# Altium PCB Velvet_Controller_V1.2_2023.PcbDoc (part 1 of 4) (continued)
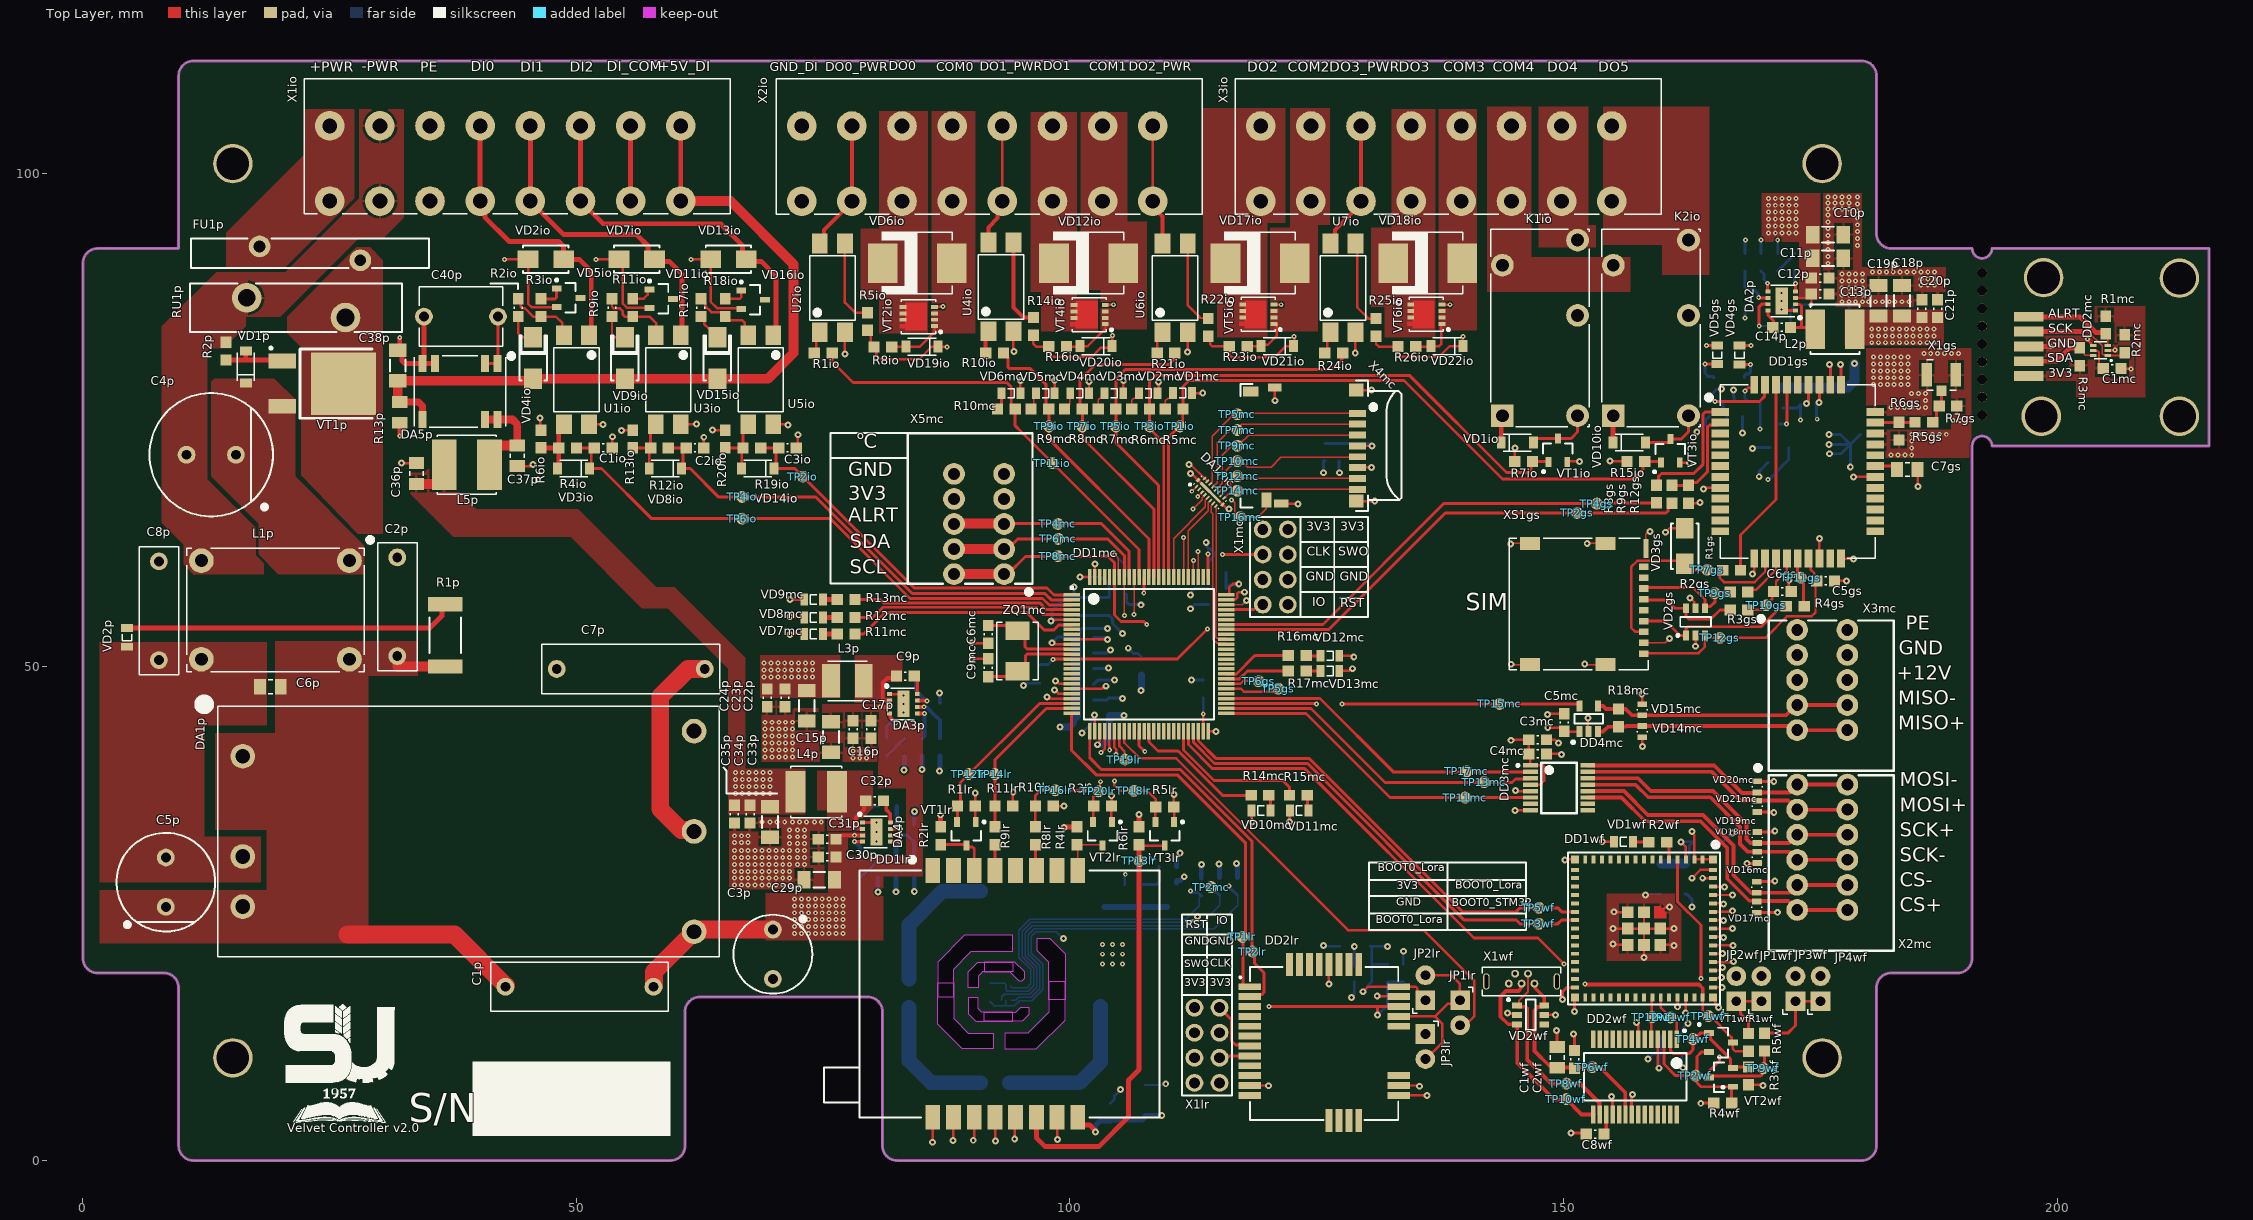
[diagram p0: Top Layer view]
## Components (designator, comment, footprint, x,y, rotation, side; value= is the part's Value field where it differs from the comment) (continued)
C19mc "GCM188R71H104KA57D" "CAP 0603 IPC MAX" 101.5,53.025 r0 bottom locked
C19p "CL31B106KAHNNNE" "CAP 1206 IPC MAX" 181.9,87.1 r90 top locked
C20mc "GCM188R71H104KA57D" "CAP 0603 IPC MAX" 114.925,59.55 r180 bottom locked
C20p "TMK107BJ105KA-T" "CAP 0603 IPC MAX" 186.3,86.3 r90 top locked
C21mc "GCM188R71H104KA57D" "CAP 0603 IPC MAX" 100.625,56.125 r270 bottom locked
C21p "GCM188R71H104KA57D" "CAP 0603 IPC MAX" 187.9,86.3 r90 top locked
C22mc "CL21A475KBQNNNE" "CAP 0805 IPC MAX" 102.325,55.95 r270 bottom locked
C22p "CL31B106KAHNNNE" "CAP 1206 IPC MAX" 73.325,46.069 r270 top locked
C23mc "TMK107BJ105KA-T" "CAP 0603 IPC MAX" 127.275,71.775 r90 bottom locked
C23p "TMK107BJ105KA-T" "CAP 0603 IPC MAX" 71.125,46.869 r270 top locked
C24mc "GCM188R71H104KA57D" "CAP 0603 IPC MAX" 125.825,71.75 r270 bottom locked
C24p "GCM188R71H104KA57D" "CAP 0603 IPC MAX" 69.325,46.869 r270 top locked
C25p "GRM1885C1H152JA01D" "CAP 0603 IPC MAX" 83.225,41.869 r270 bottom locked
C26p "CC0603KRX7R9BB561" "CAP 0603 IPC MAX" 171.7,91 r90 bottom locked
C27p "TMK107BJ105KA-T" "CAP 0603 IPC MAX" 170,91 r90 bottom locked
C28p "TMK107BJ105KA-T" "CAP 0603 IPC MAX" 85.025,41.869 r270 bottom locked
C29p "CL31B106KAHNNNE" "CAP 1206 IPC MAX" 74.6,28.45 r180 top locked
C30p "TMK107BJ105KA-T" "CAP 0603 IPC MAX" 75.4,30.75 r180 top locked
C31p "GCM188R71H104KA57D" "CAP 0603 IPC MAX" 75.4,32.55 r180 top locked
C32p "GCM188R71H104KA57D" "CAP 0603 IPC MAX" 80.2,36.45 r180 top locked
C33p "CL31B106KAHNNNE" "CAP 1206 IPC MAX" 69.6,34.3 r270 top locked
C34p "TMK107BJ105KA-T" "CAP 0603 IPC MAX" 67.6,35.1 r270 top locked
C35p "GCM188R71H104KA57D" "CAP 0603 IPC MAX" 66,35.1 r270 top locked
C36p "CL21A475KBQNNNE" "CAP 0805 IPC MAX" 33.8,69.6 r90 top locked
C37p "CL21A475KBQNNNE" "CAP 0805 IPC MAX" 44,71.4 r270 top locked
C38p "CL31B106KAHNNNE" "CAP 1206 IPC MAX" 31.9,80.55 r90 top locked
C39p "GRM1885C1H182JA01D" "CAP 0603 IPC MAX" 80.55,29.5 r270 bottom locked
C40p "CC45SL3JD470JYVNA" CC45SL3JD470JYVNA 38.3,85.5 r180 top locked
C41p "TMK107BJ105KA-T" "CAP 0603 IPC MAX" 82.375,29.5 r270 bottom locked
DA1mc "EMIF06-MSD02N16" "16-UFDFN Exposed Pad" 114.215,67.698 r315 top locked
DA1p "URB2412LD-30WR3" URB2412LD-30WR3 39.06,33.34 r0 top locked
DA2p "AOZ6663DI" "DFN 3x3-8L" 172.1,87.075 r90 top locked
DA3p "AOZ6663DI" "DFN 3x3-8L" 83.125,46.269 r270 top locked
DA4p "AOZ6663DI" "DFN 3x3-8L" 80.4,33.275 r270 top locked
DA5p "B0505MT-1WR4" B0505MT-1WR4 38.2,77.9 r180 top locked
DD1gs "SIM800C" SIM-800C 173.725,69.8 r0 top locked
DD1lr "CF-MU904" CF-MU904 92.6,17 r0 top locked
DD1mc "STM32F407VGT6" LQFP50P1600X1600X160-100M 108,51.3 r0 top locked
DD1wf "ESP32-S2-MINI-1U-N4R2" ESP32­S2­MINI­1U 158.15,23.5 r270 top locked
DD2lr "RAK3172-P3 RUI" RAK3172 125.755,11.85 r90 top locked
DD2mc "TMP112AIDRLR" SOT-563 204.4,82.075 r180 top locked
DD2wf "CY7C65213-28PVXI" TSSOP-28 157.25,8.475 r270 top
DD3lr "TMP112AIDRLR" SOT-563 93.504,16.975 r90 bottom locked
DD3mc "DSLVDS1047PWR" TSSOP-16 149.55,37.75 r0 top locked
DD4mc "FIN1002M5X" SOT-23-5 152.55,44.75 r0 top locked
FU1p "0ZRP0500FF2A" 0ZRP0500FF2A 23,91.9 r0 top locked
JP1lr "PREC002SAAN-RC" "2P TH 2.54mm" 139.525,16.24 r270 top locked
JP1wf "PREC002SAAN-RC" "2P TH 2.54mm" 170.04,16.135 r90 top locked
JP2lr "PREC002SAAN-RC" "2P TH 2.54mm" 136,16.236 r90 top locked
JP2wf "PREC002SAAN-RC" "2P TH 2.54mm" 167.5,16.135 r90 top locked
JP3lr "PREC002SAAN-RC" "2P TH 2.54mm" 136,12.816 r270 top locked
JP3wf "PREC002SAAN-RC" "2P TH 2.54mm" 173.5,16.135 r90 top locked
JP4wf "PREC002SAAN-RC" "2P TH 2.54mm" 176.04,16.135 r90 top locked
K1io "ALQ112" ALQ112 147.61,84.35 r90 top locked
K2io "ALQ112" ALQ112 158.85,84.35 r90 top locked
L1p "RN212-4-02-0M7" "FIXED IND RN212-4-02-0M7" 19.5,55.775 r90 top locked
L2p "SRN5040-4R7M" SRN5040 177.5,84.2 r0 top locked
L3p "ASPI-4030S-100M-T" ASPI-4030S 77.45,48.594 r180 top locked
L4p "TYS5020220M-10" TYS5020 74.3,37.35 r180 top locked
L5p "VLS6045EX-6R8M" VLS6045EX 38.9,70.5 r0 top locked
R1gs "RMCF0603FT4K70" "RES 0603 IPC MAX" 167.025,59.8 r180 top
R1io "RMCF0603FT1K00" "RES 0603 IPC MAX" 75,81.825 r180 top locked
R1lr "RMCF0603JT10K0" "RES 0603 IPC MAX" 89.5,35.9 r0 top locked
R1mc "RC0603FR-074K99L" "RES 0603 IPC MAX" 204.929,84.646 r90 top locked
R1p "35211K8FT" "RES 2512 IPC MAX" 36.7,53.2 r270 top locked
R1wf "RMCF0603JT10K0" "RES 0603 IPC MAX" 168.75,11.975 r90 top
R2gs "RMCF0603FT51R0" "RES 0603 IPC MAX" 167.775,57.6 r0 top locked
R2io "RMCF0603FT1K50" "CAP 0603 IPC MAX" 44.1,86.4 r90 top locked
R2lr "RMCF0603JT10K0" "RES 0603 IPC MAX" 86.9,32.9 r90 top locked
R2mc "RC0603FR-074K99L" "RES 0603 IPC MAX" 206.85,82.75 r90 top locked
R2p "RMCF0603FT27K0" "RES 0603 IPC MAX" 14.5,82 r270 top locked
R2wf "RMCF0603JT510R" "RES 0603 IPC MAX" 159.55,32.25 r180 top locked
R3gs "RMCF0603FT51R0" "RES 0603 IPC MAX" 167.775,55.775 r0 top locked
R3io "RMCF0603JT10K0" "RES 0603 IPC MAX" 46.41,86.4 r270 top locked
R3lr "RMCF0603JT10K0" "RES 0603 IPC MAX" 103.3,35.9 r0 top locked
R3mc "RC0603FR-074K99L" "RES 0603 IPC MAX" 202.3,81.425 r270 top locked
R3p "RMCF0603FT100K" "RES 0603 IPC MAX" 172.1,84.4 r0 bottom locked
R3wf "RMCF0603FT100K" "RES 0603 IPC MAX" 168.725,8.575 r270 top
R4gs "RMCF0603FT51R0" "RES 0603 IPC MAX" 173.475,56.15 r0 top locked
R4io "RMCF0603JT10K0" "RES 0603 IPC MAX" 49.11,72.2 r180 top locked
R4lr "RMCF0603JT10K0" "RES 0603 IPC MAX" 100.7,32.9 r90 top locked
R4mc "RMCF0603JT10K0" "RES 0603 IPC MAX" 105.65,58.3 r90 bottom locked
R4p "RMCF0603FT100K" "RES 0603 IPC MAX" 83.325,49.069 r0 bottom locked
R4wf "RMCF0603FT100K" "RES 0603 IPC MAX" 166.125,5.825 r0 top
R5gs "RMCF0603ZT0R00" "RES 0603 IPC MAX" 186.5,74.8 r0 top locked
R5io "RMCF0603FT22K0" "RES 0603 IPC MAX" 79.5,85 r90 top locked
R5lr "RMCF0603JT10K0" "RES 0603 IPC MAX" 109.6,35.8 r0 top locked
R5mc "RMCF0603JT510R" "RES 0603 IPC MAX" 110.55,76.125 r0 top locked
R5p "RMCF0603FT86K6" "RES 0603 IPC MAX" 168.4,87.5 r90 bottom locked
R5wf "RMCF0603JT10K0" "RES 0603 IPC MAX" 170.35,12 r270 top
R6gs "DNP" "RES 0603 IPC MAX" 183.975,73.9 r90 top locked
R6io "RMCF0603FT5K60" "RES 0603 IPC MAX" 46.41,73.1 r270 top locked
R6lr "RMCF0603JT10K0" "RES 0603 IPC MAX" 107,32.9 r90 top locked
R6mc "RMCF0603JT510R" "RES 0603 IPC MAX" 107.15,76.125 r0 top locked
R6p "RMCF0603FT68K0" "RES 0603 IPC MAX" 86.825,45.469 r270 bottom locked
R7gs "DNP" "RES 0603 IPC MAX" 188.95,76.425 r180 top locked
R7io "RMCF0603JT10K0" "RES 0603 IPC MAX" 145.95,70.8 r0 top locked
R7lr "RMCF0603JT10K0" "RES 0603 IPC MAX" 132.18,19.001 r90 bottom locked
R7mc "RMCF0603JT510R" "RES 0603 IPC MAX" 103.75,76.125 r0 top locked
R7p "RMCF0603FT59K0" "RES 0603 IPC MAX" 173.4,91 r270 bottom locked
R8gs "RMCF0603FT1K00" "RES 0603 IPC MAX" 159.425,67.525 r270 top locked
R8io "RMCF0603FT22K0" "RES 0603 IPC MAX" 81.05,82.4 r180 top locked
R8lr "RMCF0603FT1K00" "RES 0603 IPC MAX" 96.5,32.9 r270 top locked
R8mc "RMCF0603JT510R" "RES 0603 IPC MAX" 100.35,76.125 r0 top locked
R8p "RMCF0603FT22K0" "RES 0603 IPC MAX" 81.425,41.869 r90 bottom locked
R9gs "RMCF0603FT1K00" "RES 0603 IPC MAX" 161,67.5 r270 top locked
R9io "RMCF0603FT1K50" "CAP 0603 IPC MAX" 53.6,86.4 r90 top locked
R9lr "RMCF0603FT1K00" "RES 0603 IPC MAX" 92.4,32.9 r270 top locked
R9mc "RMCF0603JT510R" "RES 0603 IPC MAX" 96.95,76.125 r0 top locked
R9p "RMCF0603FT15K0" "RES 0603 IPC MAX" 168.4,91 r270 bottom locked
R10gs "RMCF0603JT510R" "RES 0603 IPC MAX" 167.825,81.6 r270 bottom locked
R10io "RMCF0603FT1K00" "RES 0603 IPC MAX" 92.36,81.825 r180 top locked
R10lr "RMCF0603FT2K00" "RES 0603 IPC MAX" 97.4,35.9 r180 top locked
R10mc "RMCF0603JT510R" "RES 0603 IPC MAX" 93.55,76.125 r0 top locked
R10p "RMCF0603FT15K0" "RES 0603 IPC MAX" 86.825,41.869 r90 bottom locked
R11gs "RMCF0603JT510R" "RES 0603 IPC MAX" 165.575,81.625 r270 bottom locked
R11io "RMCF0603JT10K0" "RES 0603 IPC MAX" 55.71,86.4 r270 top locked
R11lr "RMCF0603FT2K00" "RES 0603 IPC MAX" 93.3,35.9 r180 top locked
R11mc "RMCF0603JT510R" "RES 0603 IPC MAX" 77.325,53.35 r0 top locked
R11p "RMCF0603FT100K" "RES 0603 IPC MAX" 81.55,35.875 r0 bottom locked
R12gs "RMCF0603FT5K60" "RES 0603 IPC MAX" 162.65,67.5 r90 top locked
R12io "RMCF0603JT10K0" "RES 0603 IPC MAX" 58.41,72.2 r180 top locked
R12lr "RMCF1210JT18R0" "RES 1210" 94,26.6 r180 bottom locked
R12mc "RMCF0603JT510R" "RES 0603 IPC MAX" 77.325,55.025 r0 top locked
R12p "RMCF0603FT110K" "RES 0603 IPC MAX" 84.225,33.15 r90 bottom locked
R13gs "RMCF0603FT100K" "RES 0603 IPC MAX" 169.025,75.375 r0 bottom locked
R13io "RMCF0603FT5K60" "RES 0603 IPC MAX" 55.71,73.1 r270 top locked
R13lr "RMCF1210JT18R0" "RES 1210" 83.7,18.6 r270 bottom locked
R13mc "RMCF0603JT510R" "RES 0603 IPC MAX" 77.325,56.825 r0 top locked
R13p "ESR10EZPF2200" "RES 0805 IPC MAX" 32.1,75.8 r90 top locked
R14gs "RMCF0603FT100K" "RES 0603 IPC MAX" 165.65,75.375 r0 bottom locked
R14io "RMCF0603FT22K0" "RES 0603 IPC MAX" 96.3,84.5 r90 top locked
R14lr "RMCF1210JT18R0" "RES 1210" 90.7,8.5 r0 bottom locked
R14mc "RMCF0603JT510R" "RES 0603 IPC MAX" 119.25,37 r180 top locked
R14p "RMCF0603FT33K0" "RES 0603 IPC MAX" 78.725,29.525 r270 bottom locked
R15gs "RMCF0603FT100K" "RES 0603 IPC MAX" 171.625,70.725 r0 bottom locked
R15io "RMCF0603JT10K0" "RES 0603 IPC MAX" 157.325,70.825 r0 top locked
R15lr "RMCF1210JT18R0" "RES 1210" 103.2,15.4 r90 bottom locked
R15mc "RMCF0603JT510R" "RES 0603 IPC MAX" 123.145,37 r180 top locked
R15p "RMCF0603FT15K0" "RES 0603 IPC MAX" 84.225,29.5 r90 bottom locked
R16io "RMCF0603FT22K0" "RES 0603 IPC MAX" 98.75,82.45 r180 top locked
R16lr "RMCF0603FT1K00" "RES 0603 IPC MAX" 106.45,27.95 r180 bottom locked
R16mc "RMCF0603JT510R" "RES 0603 IPC MAX" 123.025,51.15 r180 top locked
R17io "RMCF0603FT1K50" "CAP 0603 IPC MAX" 62.6,86.4 r90 top locked
R17lr "RMCF0603JT10K0" "RES 0603 IPC MAX" 109.9,29.8 r180 bottom locked
R17mc "RMCF0603JT510R" "RES 0603 IPC MAX" 123.025,49.6 r180 top locked
R18io "RMCF0603JT10K0" "RES 0603 IPC MAX" 65.08,86.4 r270 top locked
R18lr "RC0603FR-074K99L" "RES 0603 IPC MAX" 115.15,27.75 r90 bottom locked
R18mc "RMCF0603FT100R" "RES 0603 IPC MAX" 155.55,44.85 r90 top locked
R19io "RMCF0603JT10K0" "RES 0603 IPC MAX" 67.78,72.2 r180 top locked
R19lr "RC0603FR-074K99L" "RES 0603 IPC MAX" 116.975,27.75 r90 bottom locked
R20io "RMCF0603FT5K60" "RES 0603 IPC MAX" 65.08,73.1 r270 top locked
R20lr "RC0603FR-074K99L" "RES 0603 IPC MAX" 113.3,27.725 r90 bottom locked
R21io "RMCF0603FT1K00" "RES 0603 IPC MAX" 109.725,81.825 r180 top locked
R22io "RMCF0603FT22K0" "RES 0603 IPC MAX" 114,84.4 r90 top locked
R23io "RMCF0603FT22K0" "RES 0603 IPC MAX" 117.05,82.475 r180 top locked
R24io "RMCF0603FT1K00" "RES 0603 IPC MAX" 126.725,81.825 r180 top locked
R25io "RMCF0603FT22K0" "RES 0603 IPC MAX" 131,84.4 r90 top locked
R26io "RMCF0603FT22K0" "RES 0603 IPC MAX" 134.125,82.45 r180 top locked
RU1p "B72220S0300K101" B72220S0300K101 21.6,86.4 r0 top locked
TP1io "1.2MM TP" "TESTPOINT 1.2mm" 111.137,74.375 r0 top locked
TP1lr "1.2MM TP" "TESTPOINT 1.2mm" 117.475,22.65 r0 top locked
TP1wf "1.2MM TP" "TESTPOINT 1.2mm" 164.675,14.625 r90 top
TP2gs "1.2MM TP" "TESTPOINT 1.2mm" 151.375,65.6 r90 top locked
TP2io "1.2MM TP" "TESTPOINT 1.2mm" 72.95,69.275 r90 top locked
TP2lr "1.2MM TP" "TESTPOINT 1.2mm" 118.5,21.175 r90 top locked
TP2mc "1.2MM TP" "TESTPOINT 1.2mm" 114.3,27.7 r180 top locked
TP2wf "1.2MM TP" "TESTPOINT 1.2mm" 163.35,8.6 r90 top
TP3io "1.2MM TP" "TESTPOINT 1.2mm" 108.1,74.375 r90 top locked
TP3wf "1.2MM TP" "TESTPOINT 1.2mm" 147.5,23.975 r90 top locked
TP4gs "1.2MM TP" "TESTPOINT 1.2mm" 153.375,66.55 r90 top locked
TP4io "1.2MM TP" "TESTPOINT 1.2mm" 66.775,67.225 r90 top locked
TP4mc "1.2MM TP" "TESTPOINT 1.2mm" 98.775,64.485 r180 top locked
TP4wf "1.2MM TP" "TESTPOINT 1.2mm" 163.125,12.3 r90 top
TP5gs "1.2MM TP" "TESTPOINT 1.2mm" 121.1,47.8 r90 top locked
TP5io "1.2MM TP" "TESTPOINT 1.2mm" 104.65,74.375 r90 top locked
TP5mc "1.2MM TP" "TESTPOINT 1.2mm" 116.95,75.6 r90 top locked
TP5wf "1.2MM TP" "TESTPOINT 1.2mm" 147.5,25.6 r90 top locked
TP6gs "1.2MM TP" "TESTPOINT 1.2mm" 119.125,48.55 r90 top locked
TP6io "1.2MM TP" "TESTPOINT 1.2mm" 66.775,65.025 r90 top locked
TP6mc "1.2MM TP" "TESTPOINT 1.2mm" 98.8,62.975 r180 top locked
TP6wf "1.2MM TP" "TESTPOINT 1.2mm" 152.925,9.45 r90 top
TP7gs "1.2MM TP" "TESTPOINT 1.2mm" 164.55,59.85 r90 top
TP7io "1.2MM TP" "TESTPOINT 1.2mm" 101.25,74.375 r90 top locked
TP7mc "1.2MM TP" "TESTPOINT 1.2mm" 116.95,74 r90 top locked
TP8mc "1.2MM TP" "TESTPOINT 1.2mm" 98.775,61.225 r180 top locked
TP8wf "1.2MM TP" "TESTPOINT 1.2mm" 150.275,7.8 r90 top
TP9gs "1.2MM TP" "TESTPOINT 1.2mm" 165.3,57.475 r90 top locked
TP9io "1.2MM TP" "TESTPOINT 1.2mm" 97.875,74.375 r90 top locked
TP9mc "1.2MM TP" "TESTPOINT 1.2mm" 116.95,72.4 r90 top locked
TP9wf "1.2MM TP" "TESTPOINT 1.2mm" 170.225,9.325 r90 top
TP10gs "1.2MM TP" "TESTPOINT 1.2mm" 170.525,56.25 r90 top locked
TP10mc "1.2MM TP" "TESTPOINT 1.2mm" 116.95,70.85 r90 top locked
TP10wf "1.2MM TP" "TESTPOINT 1.2mm" 150.275,6.225 r90 top
TP11gs "1.2MM TP" "TESTPOINT 1.2mm" 174.05,59.05 r90 top
TP11io "1.2MM TP" "TESTPOINT 1.2mm" 98.225,70.65 r90 top locked
TP11mc "1.2MM TP" "TESTPOINT 1.2mm" 140.025,36.775 r180 top locked
TP11wf "1.2MM TP" "TESTPOINT 1.2mm" 160.85,14.5 r90 top
TP12gs "1.2MM TP" "TESTPOINT 1.2mm" 165.85,52.95 r90 top locked
TP12lr "1.2MM TP" "TESTPOINT 1.2mm" 89.75,39.15 r90 top locked
TP12mc "1.2MM TP" "TESTPOINT 1.2mm" 116.95,69.325 r90 top locked
TP12wf "1.2MM TP" "TESTPOINT 1.2mm" 158.975,14.525 r90 top
TP13lr "1.2MM TP" "TESTPOINT 1.2mm" 107.025,30.35 r90 top locked
TP13mc "1.2MM TP" "TESTPOINT 1.2mm" 141.95,38.325 r180 top locked
TP14lr "1.2MM TP" "TESTPOINT 1.2mm" 92.4,39.15 r180 top locked
TP14mc "1.2MM TP" "TESTPOINT 1.2mm" 116.95,67.85 r90 top locked
TP15mc "1.2MM TP" "TESTPOINT 1.2mm" 143.525,46.25 r180 top locked
TP16lr "1.2MM TP" "TESTPOINT 1.2mm" 98.5,37.5 r180 top locked
TP16mc "1.2MM TP" "TESTPOINT 1.2mm" 117.25,65.175 r90 top locked
TP17mc "1.2MM TP" "TESTPOINT 1.2mm" 140.2,39.425 r180 top locked
TP18lr "1.2MM TP" "TESTPOINT 1.2mm" 106.475,37.45 r180 top locked
TP19lr "1.2MM TP" "TESTPOINT 1.2mm" 105.55,40.625 r180 top locked
TP20lr "1.2MM TP" "TESTPOINT 1.2mm" 102.9,37.4 r180 top locked
U1io "SFH6206-3T" 11-5L106 50,79.1 r270 top locked
U2io "SFH6206-3T" 11-5L106 75.925,88.4 r90 top locked
U3io "SFH6206-3T" 11-5L106 59.3,79.1 r270 top locked
U4io "SFH6206-3T" 11-5L106 93,88.5 r90 top locked
U5io "SFH6206-3T" 11-5L106 68.67,79.1 r270 top locked
U6io "SFH6206-3T" 11-5L106 110.65,88.4 r90 top locked
U7io "SFH6206-3T" 11-5L106 127.65,88.4 r90 top locked
VD1gs "MMSZ5231B-E3-08" "SOD-123 (Marked)" 179.025,83.8 r90 bottom locked
VD1io "1N4148W-TP" "SOD-123 (Marked)" 145.325,72.725 r0 top locked
VD1mc "LTST-S220GKT" "0805 DIODE" 111.4,77.75 r0 top locked
VD1p "BZT52C12-TP" "SOD-123 (Marked)" 16.5,80.4 r90 top locked
VD1wf "LTST-S220GKT" "0805 DIODE" 156.075,32.3 r180 top locked
VD2gs "ESDA6V1BC6" SOT-23-6 163.375,54.575 r90 top locked
VD2io "SMAJ36CA" "DO-214AC Bidirectional" 46.9,91.3 r0 top locked
VD2mc "LTST-S220GKT" "0805 DIODE" 107.925,77.725 r0 top locked
VD2p "LTST-S220GKT" "0805 DIODE" 4.475,53 r270 top locked
VD2wf "ESDA6V1BC6" SOT-23-6 146.675,14.75 r0 top locked
VD3gs "SMAJ5.0CA" "DO-214AC Bidirectional" 162.275,62.25 r270 top locked
VD3io "1N4148W-TP" "SOD-123 (Marked)" 49.71,70.1 r180 top locked
VD3mc "LTST-S220GKT" "0805 DIODE" 104.45,77.725 r0 top locked
VD4gs "LTST-S220GKT" "0805 DIODE" 167.825,81.6 r270 top locked
VD4io "S1M" "DO-214AC Unidirectional" 45.61,81.3 r270 top locked
VD4mc "LTST-S220GKT" "0805 DIODE" 100.975,77.725 r0 top locked
VD5gs "LTST-S220GKT" "0805 DIODE" 165.575,81.625 r270 top locked
VD5io "AZ23C4V7-HE3-08" SOT-23-3 49.2,87.4 r0 top locked
VD5mc "LTST-S220GKT" "0805 DIODE" 97.5,77.725 r0 top locked
VD6io "SMCJ36A" "DO214-AB (SMC) L3.2W1.52" 84.525,90.925 r180 top locked
VD6mc "LTST-S220GKT" "0805 DIODE" 94.025,77.725 r0 top locked
VD7io "SMAJ36CA" "DO-214AC Bidirectional" 56.1,91.3 r0 top locked
VD7mc "LTST-S220GKT" "0805 DIODE" 74.025,53.35 r180 top locked
VD8io "1N4148W-TP" "SOD-123 (Marked)" 59.01,70.1 r180 top locked
VD8mc "LTST-S220GKT" "0805 DIODE" 74.025,55.025 r180 top locked
VD9io "S1M" "DO-214AC Unidirectional" 54.91,81.3 r270 top locked
VD9mc "LTST-S220GKT" "0805 DIODE" 74.025,56.825 r180 top locked
VD10io "1N4148W-TP" "SOD-123 (Marked)" 156.665,72.75 r0 top locked
VD10mc "LTST-S220GKT" "0805 DIODE" 119.35,35.475 r180 top locked
VD11io "AZ23C4V7-HE3-08" SOT-23-3 58.6,87.3 r0 top locked
VD11mc "LTST-S220GKT" "0805 DIODE" 123.227,35.472 r180 top locked
VD12io "SMCJ36A" "DO214-AB (SMC) L3.2W1.52" 101.885,90.925 r180 top locked
VD12mc "LTST-S220GKT" "0805 DIODE" 126.326,51.132 r0 top locked
VD13io "SMAJ36CA" "DO-214AC Bidirectional" 65.4,91.3 r0 top locked
VD13mc "LTST-S220GKT" "0805 DIODE" 126.325,49.6 r0 top locked
VD14io "1N4148W-TP" "SOD-123 (Marked)" 68.38,70.1 r180 top locked
VD14mc "SP1103C-01UTG" "2-DFN 1.6x1.0" 157.975,43.45 r90 top locked
VD15io "S1M" "DO-214AC Unidirectional" 64.28,81.3 r270 top locked
VD15mc "SP1103C-01UTG" "2-DFN 1.6x1.0" 157.975,45.675 r270 top locked
VD16io "AZ23C4V7-HE3-08" SOT-23-3 67.9,87.2 r0 top locked
VD16mc "SP1103C-01UTG" "2-DFN 1.6x1.0" 169.575,27.685 r270 top locked
VD17io "SMCJ36A" "DO214-AB (SMC) L3.2W1.52" 119.25,90.925 r180 top locked
VD17mc "SP1103C-01UTG" "2-DFN 1.6x1.0" 169.575,25.675 r90 top locked
VD18io "SMCJ36A" "DO214-AB (SMC) L3.2W1.52" 136.25,90.925 r180 top locked
VD18mc "SP1103C-01UTG" "2-DFN 1.6x1.0" 169.625,30.71 r90 top locked
VD19io "BZT52C12-TP" "SOD-123 (Marked)" 85.01,82.45 r180 top locked
VD19mc "SP1103C-01UTG" "2-DFN 1.6x1.0" 169.625,32.725 r270 top locked
VD20io "BZT52C12-TP" "SOD-123 (Marked)" 102.635,82.5 r180 top locked
VD20mc "SP1103C-01UTG" "2-DFN 1.6x1.0" 169.625,37.85 r270 top locked
VD21io "BZT52C12-TP" "SOD-123 (Marked)" 121,82.5 r180 top locked
VD21mc "SP1103C-01UTG" "2-DFN 1.6x1.0" 169.625,35.875 r90 top locked
VD22io "BZT52C12-TP" "SOD-123 (Marked)" 138.2,82.5 r180 top locked
VT1gs "BSS138-TP" SOT-23-3 168.35,78.125 r90 bottom locked
VT1io "BSS138-TP" SOT-23-3 149.425,71.95 r90 top locked
VT1lr "BSS138-TP" SOT-23-3 89.5,33.1 r270 top locked
VT1p "G12P04K" "TO-252 (D-PAK)" 23.5,78.7 r270 top locked
VT1wf "BSS138-TP" SOT-23-3 165.95,11.95 r0 top
VT2gs "BSS138-TP" SOT-23-3 165.1,78.15 r90 bottom locked
VT2io "TPN1200APL,L1Q" 8-PowerVDFN 85,85.5 r90 top locked
VT2lr "BSS138-TP" SOT-23-3 103.3,33.1 r270 top locked
VT2wf "BSS138-TP" SOT-23-3 165.95,8.425 r180 top
VT3gs "BSS138-TP" SOT-23-3 171.85,73.425 r90 bottom locked
VT3io "BSS138-TP" SOT-23-3 160.825,71.9 r90 top locked
VT3lr "BSS138-TP" SOT-23-3 109.6,33.1 r270 top locked
VT4io "TPN1200APL,L1Q" 8-PowerVDFN 102.3,85.7 r90 top locked
VT4lr "DMG2302U-7" SOT-23-3 109.85,26.9 r270 bottom locked
VT5io "TPN1200APL,L1Q" 8-PowerVDFN 119.4,85.725 r90 top locked
VT6io "TPN1200APL,L1Q" 8-PowerVDFN 136.425,85.725 r90 top locked
X1gs "1909763-1" 1909763-1 188.275,79.6 r0 top locked
X1io "KF142V-5.08-8P" KF142V-5.08-8P 25.005,97.2 r0 top locked
X1lr "TSW-104-07-F-D" "HEADER 2.54mm 2ROW 8PIN" 113.88,11.676 r270 top locked
X1mc "TSW-104-07-F-D" "HEADER 2.54mm 2ROW 8PIN" 120.8,60.125 r90 top locked
X1wf "USB3131-30-0230-A" USB3131-30-0230-A 145.75,17.924 r180 top locked
X2io "KF142V-5.08-8P" KF142V-5.08-8P 72.825,97.18 r0 top locked
X2mc "KF141V-2.54-6P" KF141V-2.54-6P 173.675,38.085 r270 top locked
X3io "KF142V-5.08-8P" KF142V-5.08-8P 119.325,97.18 r0 top locked
X3mc "KF141V-2.54-5P" KF141V-2.54-5P 173.67,53.76 r270 top locked
X4mc "114-00841-68" 114-00841-68 123.725,72.425 r90 top locked
X5mc "KF141V-2.54-5P" KF141V-2.54-5P 93.33,59.405 r90 top locked
XS1gs "693023010811" 693023010811 158.598,56.38 r270 top locked
ZQ1mc "ABM3-8.000MHZ-D2Y-T" ABM3-8.000MHZ-D2Y-T 94.675,51.625 r90 top locked

## Footprints (in the part's own frame and the unit in brackets; to place one, negate y for a bottom-side part, rotate by r counter-clockwise, add the part's x,y. Pads: shape width x height; smd on the part's side, far side on the other; paste and mask are expansions set on the pad)
0ZRP0500FF2A [mm] "0ZRP series Fuse"
  round 2.2 hole 1.2: 1(-5.1,0.7) 2(5.1,-0.7)
  silkscreen extent -12.05,-1.5 12.05,1.5, body extent -12.05,-1.5 12.05,1.5, height 29.1
"2-DFN 1.6x1.0" [mm]
  rect 0.58x1 smd: 1(-0.56,0) 2(0.56,0)
  silkscreen extent -0.05,-0.5 0.05,0.5, body extent -0.8,-0.5 0.8,0.5, height 0.6
"2P TH 2.54mm" [mm]
  rect 2x2 hole 1: 1(0,0)
  round 2 hole 1: 2(2.54,0)
  silkscreen extent -1.3,0.8 -0.8,1.3
8-PowerVDFN [mm]
  rect 0.4x0.7 smd: 1(-0.975,-1.275) 2(-0.325,-1.275) 3(0.325,-1.275) 4(0.975,-1.275) 5(0.975,1.9) 6(0.325,1.9) 7(-0.325,1.9)
  round 0.025 smd: 8(0,0.875)
  Top Layer region: -0.775,1.7 -0.775,2.25 -1.175,2.25 -1.175,1.7 -1.4,1.7 -1.4,-0.5 1.4,-0.5 1.4,1.7
  silkscreen extent -1.73,-2.02 1.73,2.07, body extent -1.73,-1.38 1.73,2.07, height 0.8
11-5L106 [mm] "SMD-4 Optocoupler"
  rect 2x1.6 smd: 1(-4.5,1.27) 2(-4.5,-1.27) 3(4.5,-1.27) 4(4.5,1.27)
  silkscreen extent -3.25,-2.3 3.25,2.3, body extent -5,-2.29 5,2.29, height 3.85
"16-UFDFN Exposed Pad" [mm]
  rect 0.2x0.45 smd: 1(-1.4,-0.575) 2(-1,-0.575) 3(-0.6,-0.575) 4(-0.2,-0.575) 5(0.2,-0.575) 6(0.6,-0.575) 7(1,-0.575) 8(1.4,-0.575) 9(1.4,0.575) 10(1,0.575) 11(0.6,0.575) 12(0.2,0.575) 13(-0.2,0.575) 14(-0.6,0.575) 15(-1,0.575) 16(-1.4,0.575)
  rect 0.3x0.45 smd: 17(-1.75,0) 18(1.75,0)
  rect 2.8x0.3 smd: 19(0,0)
  silkscreen extent -2.09,-0.99 1.75,0.6, body extent -1.77,-0.64 1.78,0.61, height 0.55
114-00841-68 [mm] "uSD CARD socket"
  rect 0.7x1.75 smd: 1(3.275,-5.4) 2(2.175,-5.4) 3(1.075,-5.4) 4(-0.025,-5.4) 5(-1.125,-5.4) 6(-2.225,-5.4) 7(-3.325,-5.4) 8(-4.425,-5.4)
  rect 1.55x1 smd: 9(-5.5,3.825)
  rect 1x1.55 smd: 10(5.475,5.4)
  rect 1.3x1.5 smd: 11(-5.625,-5.275) 12(5.625,-5.275)
  rect 0.8x1.5 smd: 13(-5.875,2.325)
  rect 0.8x1.4 smd: 14(5.875,2.975)
  Top Layer pour cut-out: -1.875,5.725 0.625,5.725 0.625,3.675 -1.875,3.675
  Top Layer pour cut-out: -4.725,1.575 3.375,1.575 3.375,-1.4 -4.725,-1.4
  silkscreen extent -6.6,-7.25 6.6,6.45, body extent -5.98,-5.72 5.98,5.77, height 1.68
"0805 DIODE" [mm]
  rect 0.8x1.2 smd: 1(-0.95,0) 2(0.95,0)
  silkscreen extent -0.33,-0.48 0.33,0.48, body extent -1.03,-0.45 1.03,0.46, height 0.85
1909763-1 [mm] "U.FL (UMCC) Connector Jack, Male Pin 50Ohm Surface Mount Solder"
  rect 1x1.05 smd: 1(0,-1.6)
  rect 1.05x2.4 smd: 2(-1.475,0) 3(1.475,0)
  silkscreen extent -1.5,-1.55 1.5,1.55, body extent -1.5,-1.55 1.5,1.55, height 1.25
693023010811 [mm] "CONN SMART CARD PUSH-PULL"
  rect 1.89x0.5 smd: 1(-5.615,-0.248)
  rect 1.35x2 smd: 2(-6.13,-4.35) 3(-6.13,-12) 4(6.13,-12) 5(6.13,-4.35)
  rect 0.67x0.95 smd: C1(5.03,-0.473) C2(1.73,-0.473) C3(-0.47,-0.473) C4(-2.67,-0.473) C5(3.93,-0.473) C6(0.63,-0.473) C7(-1.57,-0.473) C8(-3.77,-0.473) SW(2.83,-0.473)
  silkscreen extent -6.65,-14.1 6.65,0, body extent -6.65,-14 6.65,0.1, height 1.32
ABM3-8.000MHZ-D2Y-T [mm] "8 MHz ±20ppm Crystal 18pF 140 Ohms 2-SMD, No Lead"
  rect 1.9x2.4 smd: 1(-2.05,0) 2(2.05,0)
  silkscreen extent -2.9,-2.1 2.9,2.1, body extent -2.86,-2.09 2.86,2.09, height 1.3
ALQ112 [mm] "General Purpose Relay SPDT (1 Form C) 12VDC Coil Through Hole"
  rect 2.3x2.3 hole 1.3: 1(-8.89,3.81)
  round 2.3 hole 1.3: 2(6.35,3.81) 3(8.89,-3.81) 4(1.27,-3.81) 5(-8.89,-3.81)
  silkscreen extent -9.99,-5 10.01,5, body extent -10,-5 10,5, height 16
ASPI-4030S [mm] "4x4x3 Wire Wound Magnetically Shielded SMD Power Inductor"
  rect 1.8x3.4 smd: 1(-1.65,0) 2(1.65,0)
  silkscreen extent -2,-2 2,2, body extent -2,-2 2,2, height 3
B0505MT-1WR4 [mm] "Isolated Module DC DC Converter 1 Output 5V 200mA 4.5V - 5.5V Input"
  rect 0.8x1.7 smd: 1(-3.81,-2.838) 2(-2.54,-2.838) 6(2.54,-2.838) 7(3.81,-2.838) 8(3.81,2.838) 13(-2.54,2.838) 14(-3.81,2.838)
  silkscreen extent -5.45,-3.85 4.62,3.62, body extent -4.65,-3.56 4.65,3.76, height 3.41
B72220S0300K101 [mm] "VARISTOR 47V 2KA DISC 20MM"
  round 3 hole 1.8: 1(-5,1) 2(5,-1)
  silkscreen extent -10.75,-2.45 10.75,2.45, body extent -10.5,-1.9 10.5,1.9, height 23.48
"CAP 0603 IPC MAX" [mm]
  rect 1.15x1.1 smd: 1(-0.9,0) 2(0.9,0)
  silkscreen extent -0.1,-0.4 0.1,0.4, body extent -0.8,-0.4 0.8,0.4, height 0.5
"CAP 0805 IPC MAX" [mm]
  rect 1.2x1.55 smd: 1(-1.05,0) 2(1.05,0)
  silkscreen extent -0.23,-0.7 0.23,0.7, body extent -1,-0.63 1,0.63, height 0.78
"CAP 1206 IPC MAX" [mm]
  rect 1.35x1.8 smd: 1(-1.55,0) 2(1.55,0)
  silkscreen extent -0.6,-0.8 0.6,0.8, body extent -2.27,-0.8 2.27,0.8, height 1.25
"CAP 2917 (D)" [mm]
  rect 3x3 smd: 1(-3,0) 2(3,0)
  silkscreen extent -3.83,-2.25 3.75,2.25, body extent -3.7,-2.22 3.7,2.22, height 3.01
"CAP RADIAL D8.0 L12.0 P5.0" [mm] "Radial Aluminium Capacitor Diameter=8.0, Length=12.5mm, Pitch=5.0mm"
  round 1.8 hole 1: 1(-2.5,0) 2(2.5,0)
  silkscreen extent -4,-4 4,4, body extent -4,-3.99 4,3.99, height 11.5
"CAP RADIAL D10.0 L17,0 P5.0 - duplicate" [mm] "Radial Aluminium Capacitor Diameter=10.0, Length=17.0mm, Pitch=5.0mm"
  round 1.8 hole 1: 1(-2.5,0) 2(2.5,0)
  silkscreen extent -5,-5 5,5, body extent -4.99,-4.99 5,4.99, height 16
"CAP RADIAL D12.5 L20.0 P5.0" [mm] "Radial Aluminium Capacitor Diameter=12.5, Length=20.0mm, Pitch=5.0mm"
  round 1.8 hole 1: 1(-2.5,0) 2(2.5,0)
  silkscreen extent -6.25,-6.25 6.25,6.25, body extent -6.25,-6.24 6.25,6.25, height 20
"CAP RADIAL L13.0 W4.0 H9.1 P10.0" [mm] "Film Capacitor"
  round 1.8 hole 1: 1(-5,0) 2(5,0)
  silkscreen extent -6.5,-2 6.5,2, body extent -6.6,-2.1 6.6,2.1, height 9.1
"CAP RADIAL L18.0 W5.0 H10.5 P15.0" [mm] "Film Capacitor"
  round 1.8 hole 1: 1(-7.5,0) 2(7.5,0)
  silkscreen extent -9,-2.5 9,2.5, body extent -9,-2.5 9,2.5, height 10.5
CC45SL3JD470JYVNA [mm] "CAP Ceramic Radial Diam=8.5m, pitch=7.5mm, width=6.00mm"
  round 1.8 hole 1: 1(-3.75,0) 2(3.75,0)
  silkscreen extent -4.25,-3 4.25,3, body extent -4.15,-2.63 4.15,2.37, height 13.75
CF-MU904 [mm] "UHF RFID Reader Module"
  rect 1.5x2.5 smd: 1(-6.509,12.373) 2(-4.409,12.373) 3(-2.309,12.373) 4(-0.209,12.373) 5(1.891,12.373) 6(3.991,12.373) 7(6.091,12.373) 8(8.191,12.373) 9(8.191,-12.627) 10(6.091,-12.627) 11(3.991,-12.627) 12(1.891,-12.627) 13(-0.209,-12.627) 14(-2.309,-12.627) 15(-4.409,-12.627) 16(-6.509,-12.627)
  silkscreen extent -17.51,-12.63 16.49,13.73, body extent -17.85,-12.62 16.65,12.37, height 3.8
"DFN 3x3-8L" [mm] "Based on AOZ6663DI/DI-01 Documentation"
  rect 0.4x0.5 smd: 1(-0.975,-1.4) 2(-0.325,-1.4) 3(0.325,-1.4) 4(0.975,-1.4) 5(0.975,1.4) 6(0.325,1.4) 7(-0.325,1.4) 8(-0.975,1.4)
  rect 2.7x1.25 smd: 9(0,0)
  silkscreen extent -1.84,-1.99 1.6,1.1, body extent -1.55,-1.6 1.55,1.6, height 0.81
"DO214-AB (SMC) L3.2W1.52" [mm]
  rect 3x4 smd: 1(-3.5,0) 2(3.5,0)
  silkscreen extent -3.55,-3.17 3.63,3.17, body extent -4.06,-3.05 4.06,3.05, height 2.4
"DO-214AC Bidirectional" [mm] "Bidirectional Diode, 2-Leads, Body 4,30x2,59mm, IPC Medium Density"
  rect 2.1x1.8 smd: 1(-1.8,0) 2(1.8,0)
  silkscreen extent -2.3,-1.4 2.3,1.4, body extent -2.74,-1.4 2.74,1.4, height 2.29
"DO-214AC Unidirectional" [mm] "Bidirectional Diode, 2-Leads, Body 4,30x2,59mm, IPC Medium Density"
  rect 2.1x1.8 smd: 1(-2.1,0) 2(2.1,0)
  silkscreen extent -2.3,-1.4 2.3,1.4, body extent -2.74,-1.4 2.74,1.4, height 2.29
ESP32­S2­MINI­1U [mm]
  rect 0.8x0.4 smd: 1(-7,5.95) 2(-7,5.1) 3(-7,4.25) 4(-7,3.4) 5(-7,2.55) 6(-7,1.7) 7(-7,0.85) 8(-7,0) 9(-7,-0.85) 10(-7,-1.7) 11(-7,-2.55) 12(-7,-3.4) 13(-7,-4.25) 14(-7,-5.1) 15(-7,-5.95) 31(7,-5.95) 32(7,-5.1) 33(7,-4.25) 34(7,-3.4) 35(7,-2.55) 36(7,-1.7) 37(7,-0.85) 38(7,0) 39(7,0.85) 40(7,1.7) 41(7,2.55) 42(7,3.4) 43(7,4.25) 44(7,5.1) 45(7,5.95)
  rect 0.4x0.8 smd: 16(-5.95,-7) 17(-5.1,-7) 18(-4.25,-7) 19(-3.4,-7) 20(-2.55,-7) 21(-1.7,-7) 22(-0.85,-7) 23(0,-7) 24(0.85,-7) 25(1.7,-7) 26(2.55,-7) 27(3.4,-7) 28(4.25,-7) 29(5.1,-7) 30(5.95,-7) 46(5.95,7) 47(5.1,7) 48(4.25,7) 49(3.4,7) 50(2.55,7) 51(1.7,7) 52(0.85,7) 53(0,7) 54(-0.85,7) 55(-1.7,7) 56(-2.55,7) 57(-3.4,7) 58(-4.25,7) 59(-5.1,7) 60(-5.95,7)
  rect 1.2x1.2 smd: 61(0,0) 67(-1.65,0) 68(-1.65,-1.65) 69(0,-1.65) 70(1.65,-1.65) 71(1.65,0) 72(1.65,1.65) 73(0,1.65)
  rect 0.8x0.8 smd: 62(-7,7) 63(-7,-7) 64(7,-7) 65(7,7)
  round 0.025 smd: 66(-1.65,1.65)
  Top Layer region: -2.25,1.05 -1.05,1.05 -1.05,2.25 -1.65,2.25 -2.25,1.65
  silkscreen extent -8.75,-7.7 7.7,7.7, body extent -7.7,-7.7 7.7,7.7, height 2.55
"FIXED IND RN212-4-02-0M7" [mm] "700 µH @ 10 kHz 2 Line Common Mode Choke Through Hole 4A DCR 24mOhm (Typ)"
  round 2.5 hole 1.3: 1(5,-7.5) 2(-5,-7.5) 3(5,7.5) 4(-5,7.5)
  silkscreen extent -6.25,-9.85 7.35,9, body extent -6.25,-9 6.25,9, height 20
"HEADER 2.54mm 2ROW 8PIN" [mm]
  round 1.8 hole 1.1: 1(-3.81,-1.27) 2(-1.27,-1.27) 3(1.27,-1.27) 4(3.81,-1.27) 5(3.81,1.27) 6(1.27,1.27) 7(-1.27,1.27) 8(-3.81,1.27)
  silkscreen extent -5.08,-2.54 5.08,2.54, body extent -5.08,-2.44 5.08,2.54, height 8.6
KF141V-2.54-5P [mm]
  round 2.2 hole 1.2: 1(0,0) 2(2.54,0) 3(5.08,0) 4(7.62,0) 5(10.16,0) 6(0,5.08) 7(2.54,5.08) 8(5.08,5.08) 9(7.62,5.08) 10(10.16,5.08)
  silkscreen extent -1.36,-3.92 14.29,9.78, body extent -1.01,-2.94 14.29,9.86, height 13.6
KF141V-2.54-6P [mm] "1 2.54mm 20~26 2A 150V Through Hole 6 Plugin,P=2.54mm Spring Clamp System Terminal Block ROHS"
  round 2.2 hole 1.2: 1(0,0) 2(2.54,0) 3(5.08,0) 4(7.62,0) 5(10.16,0) 6(12.7,0) 7(0,5.08) 8(2.54,5.08) 9(5.08,5.08) 10(7.62,5.08) 11(10.16,5.08) 12(12.7,5.08)
  silkscreen extent -1.94,-4.22 16.83,9.78, body extent -0.95,-2.82 16.83,9.78, height 13.6
KF142V-5.08-8P [mm] "1.5 5.08mm 14~22 15A 250V Through Hole 8 Plugin,P=5.08mm Spring Clamp System Terminal Block ROHS"
  round 3 hole 1.5: 1(0,0) 2(5.08,0) 3(10.16,0) 4(15.24,0) 5(20.32,0) 6(25.4,0) 7(30.48,0) 8(35.56,0) 9(0,7.62) 10(5.08,7.62) 11(10.16,7.62) 12(15.24,7.62) 13(20.32,7.62) 14(25.4,7.62) 15(30.48,7.62) 16(35.56,7.62)
  silkscreen extent -2.6,-1.3 40.58,12.4, body extent -2.6,-1.3 40.58,11.9, height 14.1
LQFP50P1600X1600X160-100M [mm] "LQFP, 100-Leads, Body 14,00x14,00mm, Pitch 0,50mm, IPC Low Density"
  rect 1.65x0.35 smd: 1(-7.825,6) 2(-7.825,5.5) 3(-7.825,5) 4(-7.825,4.5) 5(-7.825,4) 6(-7.825,3.5) 7(-7.825,3) 8(-7.825,2.5) 9(-7.825,2) 10(-7.825,1.5) 11(-7.825,1) 12(-7.825,0.5) 13(-7.825,0) 14(-7.825,-0.5) 15(-7.825,-1) 16(-7.825,-1.5) 17(-7.825,-2) 18(-7.825,-2.5) 19(-7.825,-3) 20(-7.825,-3.5) 21(-7.825,-4) 22(-7.825,-4.5) 23(-7.825,-5) 24(-7.825,-5.5) 25(-7.825,-6) 51(7.825,-6) 52(7.825,-5.5) 53(7.825,-5) 54(7.825,-4.5) 55(7.825,-4) 56(7.825,-3.5) 57(7.825,-3) 58(7.825,-2.5) 59(7.825,-2) 60(7.825,-1.5) 61(7.825,-1) 62(7.825,-0.5) 63(7.825,0) 64(7.825,0.5) 65(7.825,1) 66(7.825,1.5) 67(7.825,2) 68(7.825,2.5) 69(7.825,3) 70(7.825,3.5) 71(7.825,4) 72(7.825,4.5) 73(7.825,5) 74(7.825,5.5) 75(7.825,6)
  rect 0.35x1.65 smd: 26(-6,-7.825) 27(-5.5,-7.825) 28(-5,-7.825) 29(-4.5,-7.825) 30(-4,-7.825) 31(-3.5,-7.825) 32(-3,-7.825) 33(-2.5,-7.825) 34(-2,-7.825) 35(-1.5,-7.825) 36(-1,-7.825) 37(-0.5,-7.825) 38(0,-7.825) 39(0.5,-7.825) 40(1,-7.825) 41(1.5,-7.825) 42(2,-7.825) 43(2.5,-7.825) 44(3,-7.825) 45(3.5,-7.825) 46(4,-7.825) 47(4.5,-7.825) 48(5,-7.825) 49(5.5,-7.825) 50(6,-7.825) 76(6,7.825) 77(5.5,7.825) 78(5,7.825) 79(4.5,7.825) 80(4,7.825) 81(3.5,7.825) 82(3,7.825) 83(2.5,7.825) 84(2,7.825) 85(1.5,7.825) 86(1,7.825) 87(0.5,7.825) 88(0,7.825) 89(-0.5,7.825) 90(-1,7.825) 91(-1.5,7.825) 92(-2,7.825) 93(-2.5,7.825) 94(-3,7.825) 95(-3.5,7.825) 96(-4,7.825) 97(-4.5,7.825) 98(-5,7.825) 99(-5.5,7.825) 100(-6,7.825)
  silkscreen extent -7.95,-6.6 6.6,6.85, body extent -8,-8 8,8, height 1.6
RAK3172 [mm] "RAK3172 WisDuo LPWAN Module Datasheet"
  rect 0.7x2.3 smd: 1(5.75,7.55) 2(4.75,7.55) 3(3.75,7.55) 4(2.75,7.55) 5(1.75,7.55) 6(0.75,7.55) 7(-0.25,7.55) 8(-1.25,7.55) 9(-2.25,7.55) 10(-3.25,7.55) 11(-4.25,7.55) 12(-5.25,7.55) 17(-5.25,-7.55) 18(-4.25,-7.55) 19(-3.25,-7.55) 20(1.75,-7.55) 21(2.75,-7.55) 22(3.75,-7.55) 23(4.75,-7.55) 24(5.75,-7.55)
  rect 2.3x0.7 smd: 13(-7.8,-0.5) 14(-7.8,-1.5) 15(-7.8,-2.5) 16(-7.8,-3.5) 25(8,-3.5) 26(8,-2.5) 27(8,-1.5) 28(8,-0.5) 29(8,0.5) 30(8,1.5) 31(8,2.5) 32(8,3.5)
  silkscreen extent -7.75,-7.5 7.75,8.6, body extent -7.75,-7.5 7.75,7.5, height 3.5
"RES 0603 IPC MAX" [mm]
  rect 1.15x1.1 smd: 1(-0.9,0) 2(0.9,0)
  body extent -0.8,-0.43 0.8,0.43, height 0.48
"RES 0805 IPC MAX" [mm]
  rect 1.2x1.55 smd: 1(-1.05,0) 2(1.05,0)
  body extent -1.4,-0.62 1.4,0.62, height 0.8
"RES 1210" [mm]
  rect 1.5x3 smd: 1(0.2,0) 2(3.1,0)
  body extent 0.05,-1.25 3.25,1.25, height 0.6
"RES 2512 IPC MAX" [mm]
  rect 1.45x3.5 smd: 1(-3.15,0) 2(3.15,0)
  silkscreen extent -1.8,-1.6 1.8,1.6, body extent -3.2,-1.6 3.2,1.6, height 0.65
SIM-800C [mm]
  rect 1.8x0.8 smd: 1(-7.85,6.05) 2(-7.85,4.95) 3(-7.85,3.85) 4(-7.85,2.75) 5(-7.85,1.65) 6(-7.85,0.55) 7(-7.85,-0.55) 8(-7.85,-1.65) 9(-7.85,-2.75) 10(-7.85,-3.85) 11(-7.85,-4.95) 12(-7.85,-6.05) 22(7.85,-6.05) 23(7.85,-4.95) 24(7.85,-3.85) 25(7.85,-2.75) 26(7.85,-1.65) 27(7.85,-0.55) 28(7.85,0.55) 29(7.85,1.65) 30(7.85,2.75) 31(7.85,3.85) 32(7.85,4.95) 33(7.85,6.05)
  rect 0.8x1.8 smd: 13(-4.4,-8.8) 14(-3.3,-8.8) 15(-2.2,-8.8) 16(-1.1,-8.8) 17(0,-8.8) 18(1.1,-8.8) 19(2.2,-8.8) 20(3.3,-8.8) 21(4.4,-8.8) 34(4.4,8.8) 35(3.3,8.8) 36(2.2,8.8) 37(1.1,8.8) 38(0,8.8) 39(-1.1,8.8) 40(-2.2,8.8) 41(-3.3,8.8) 42(-4.4,8.8)
  Top Layer pour cut-out: 4.65,7.425 6.8,7.425 6.8,2.475 4.65,2.475
  silkscreen extent -9.25,-8.8 7.85,8.8, body extent -7.85,-8.8 7.85,8.8, height 2.37
"SOD-123 (Marked)" [mm]
  rect 0.91x1.22 smd: 1(-1.635,0) 2(1.635,0)
  silkscreen extent -1.43,-0.85 1.43,0.85, body extent -1.85,-0.8 1.85,0.8, height 1.15
SOT-23-3 [mm]
  rect 1x0.6 smd: 1(-1.2,0.95) 2(-1.2,-0.95) 3(1.2,0)
  silkscreen extent -1.32,-1.5 0.7,1.92, body extent -1.25,-1.46 1.23,1.46, height 1.02
SOT-23-5 [mm]
  rect 0.6x1.1 smd: 1(-0.95,-1.3) 2(0,-1.3) 3(0.95,-1.3) 4(0.95,1.3) 5(-0.95,1.3)
  silkscreen extent -1.72,-2.52 1.45,0.48, body extent -1.5,-1.25 1.5,1.25, height 1.1
SOT-23-6 [mm] "SOT23, 6-Leads, Body 2,93x1,80mm, Pitch 0,95mm, IPC Medium Density"
  rect 1x0.6 smd: 1(-1.375,0.95) 2(-1.375,0) 3(-1.375,-0.95) 4(1.375,-0.95) 5(1.375,0) 6(1.375,0.95)
  silkscreen extent -1.5,-1.55 0.5,1.92, body extent -1.4,-1.45 1.4,1.45, height 1.45
SOT-563 [mm] "SOT 6PIN H0.6 P0.5 BODY 1.3mm x 1.7mm"
  rect 0.67x0.3 smd: 1(-0.74,0.5) 2(-0.74,0) 3(-0.74,-0.5) 4(0.74,-0.5) 5(0.74,0) 6(0.74,0.5)
  silkscreen extent -1.15,-0.85 0.65,1.1, body extent -0.81,-0.8 0.81,0.8, height 0.58
SRN5040 [mm] "SRN5040 Series - Semi-shielded Power Inductors"
  rect 2x4 smd: 1(-2,0) 2(2,0)
  silkscreen extent -2.5,-2.5 2.5,2.5, body extent -2.5,-2.5 2.5,2.5, height 4
"TESTPOINT 1.2mm" [mm]
  round 1.2 smd: 1(0,0)
"TO-252 (D-PAK)" [mm] "Based on Goford G12P04K MOSFET"
  rect 1.5x2.8 smd: 1(-2.286,-3.3) 2(2.286,-3.3)
  rect 6.3x6.6 smd: 3(0,2.9)
  silkscreen extent -3.72,-4.57 3.5,5.8, body extent -3.29,-3.9 3.29,5.8, height 2.3
TSSOP-16 [mm] "TSSOP-16 body 6.6mm x 4.5mm x 1.2mm pitch 0.65mm"
  rect 1.5x0.45 smd: 1(-2.9,2.275) 2(-2.9,1.625) 3(-2.9,0.975) 4(-2.9,0.325) 5(-2.9,-0.325) 6(-2.9,-0.975) 7(-2.9,-1.625) 8(-2.9,-2.275) 9(2.9,-2.275) 10(2.9,-1.625) 11(2.9,-0.975) 12(2.9,-0.325) 13(2.9,0.325) 14(2.9,0.975) 15(2.9,1.625) 16(2.9,2.275)
  silkscreen extent -4.3,-2.55 1.8,2.55, body extent -3.2,-2.5 3.2,2.5, height 1.1